# Altium PCB controller_V1.3.PcbDoc (part 5 of 6)
Units mil, origin at the board's own origin, x right, y up, seen from the top; angles counter-clockwise.
Board outline 9606 x 5905.51 mil, 2 copper layers (Top Layer, Bottom Layer); 441 components, 367 nets, 1496 pads, 5349 vias.
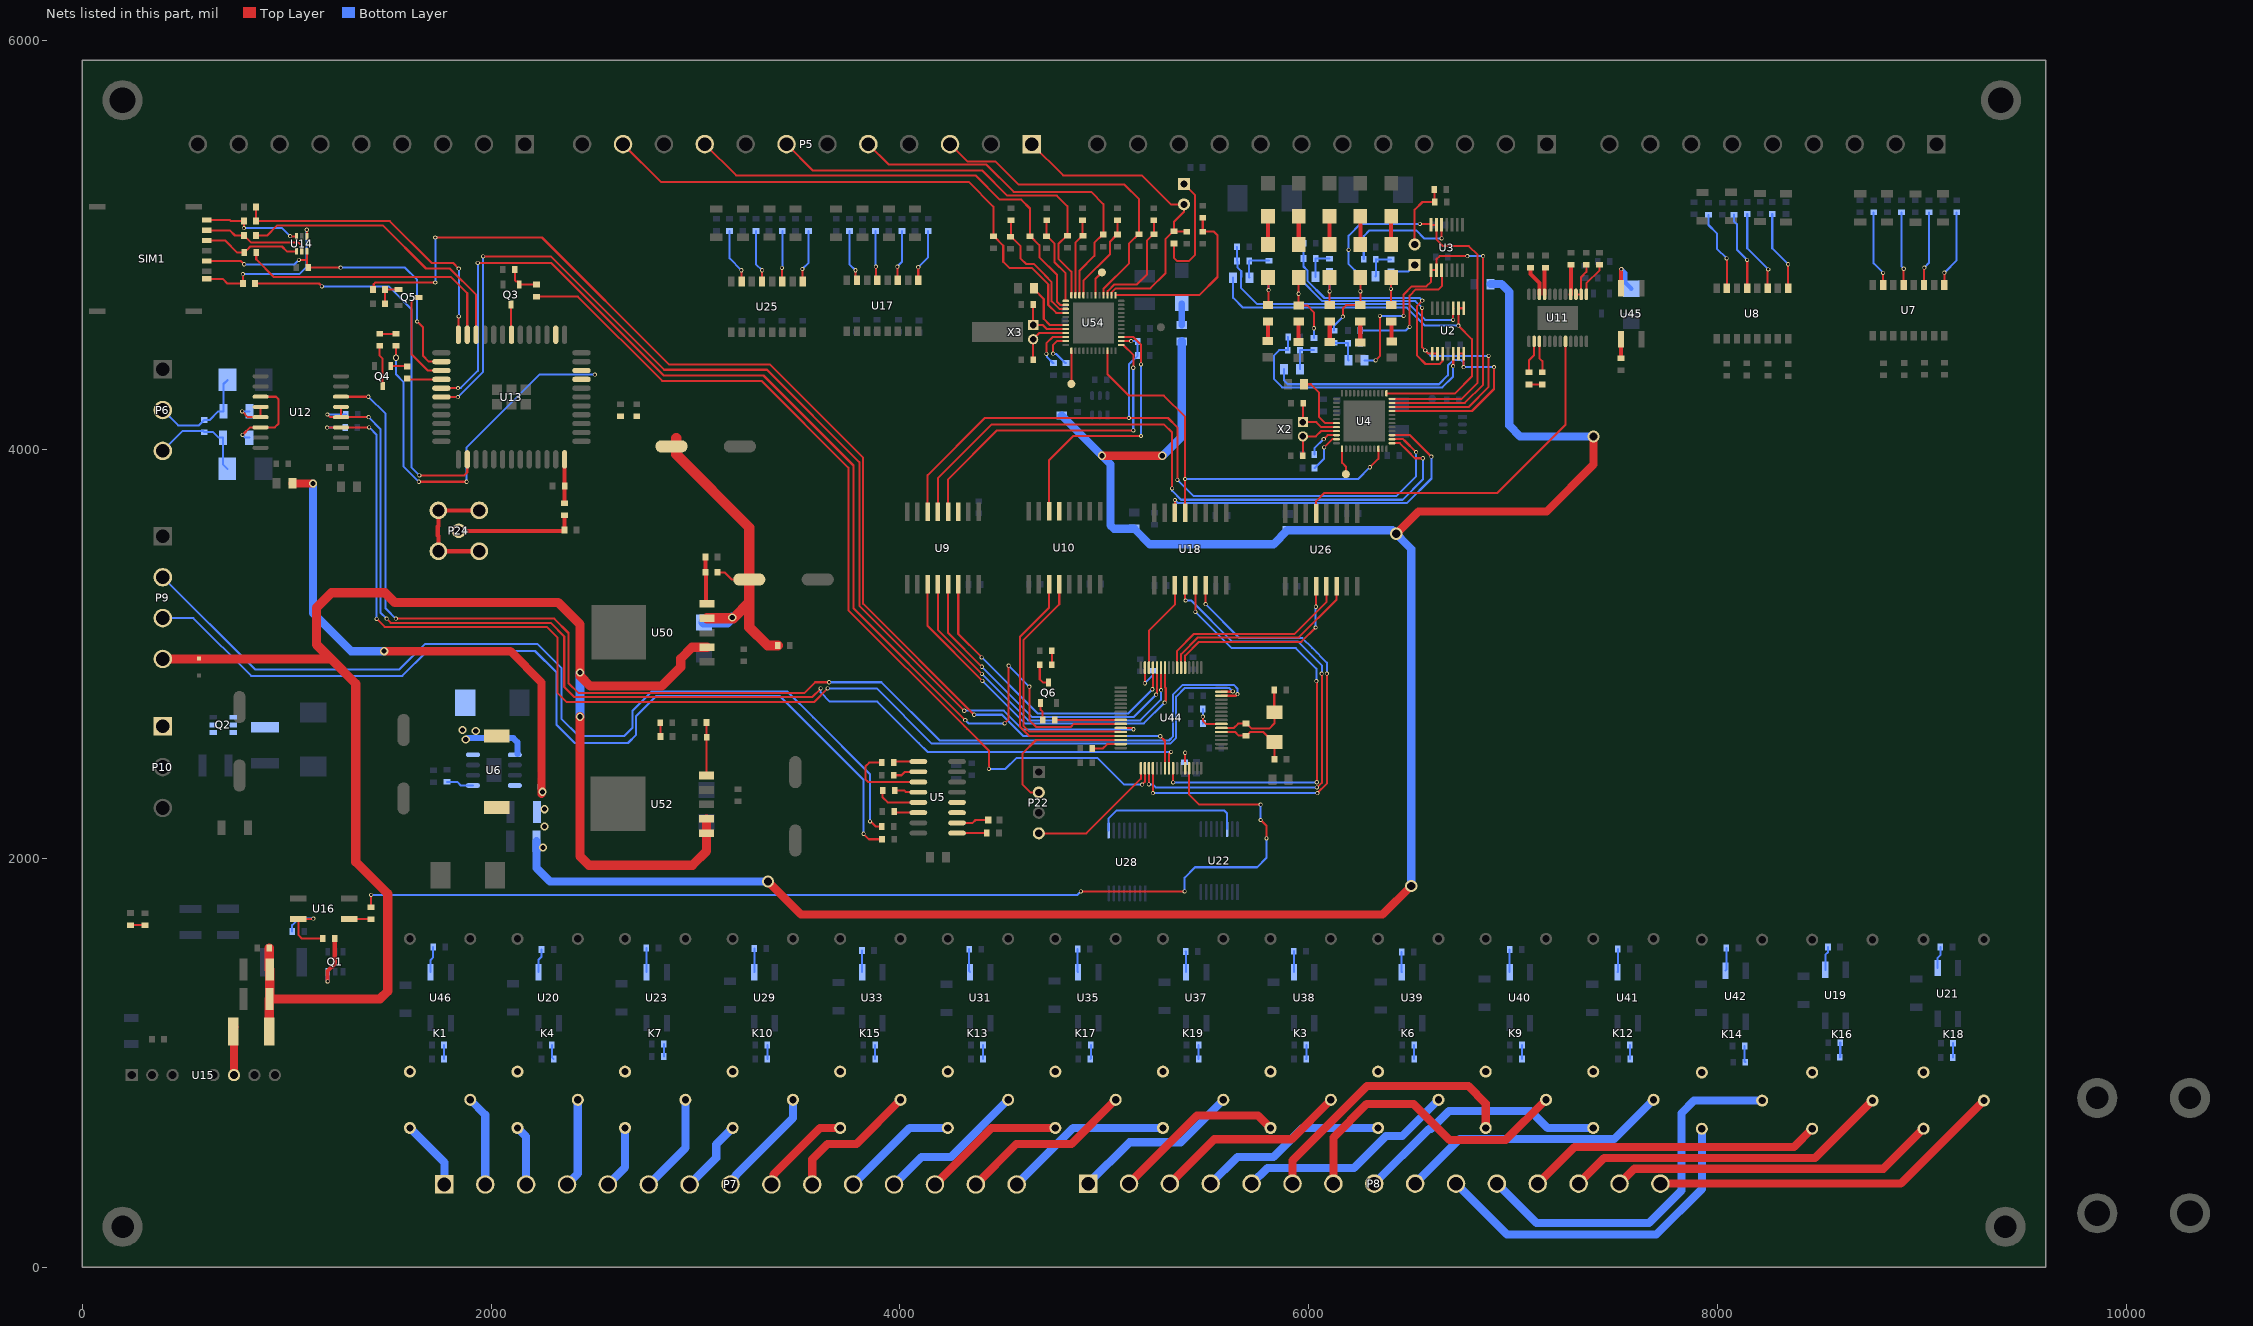
[diagram p5: the nets of this part, all layers, seen from the top]

## Via types
v1: diameter 20, hole 12, Top Layer to Bottom Layer, tented both sides, 5236 vias
v2: diameter 23.62, hole 11.81, Top Layer to Bottom Layer, 50 vias
v3: diameter 40, hole 25, Top Layer to Bottom Layer, tented both sides, 39 vias
v4: diameter 30, hole 20, Top Layer to Bottom Layer, tented both sides, 16 vias
v5: diameter 60, hole 40, Top Layer to Bottom Layer, tented both sides, 7 vias
v6: diameter 59.06, hole 39.37, Top Layer to Bottom Layer, 1 vias

## Nets (pads, with @x,y where several pads share a name; then routed paths per layer and width w, separated by ;. In a path a pad name is that pad's centre, name@x,y a point inside that pad or via, vN(x,y) a via of type N, cw(c..) or ccw(c..) an arc to the next point about the centre after c; other vN are vias at no path point) (continued)
LTE_MRX: U13.17 U44.42 | length 5724.1
  Top Layer w10: U13.17@1757.33,4299.74 v1(1838.26,4299.74) ; v1(1935,4913) 2293,4913 2844,4362 3333,4362 3773.41,3921.59 3773.41,3822 3773.41,3222.59 v1(4320,2676) ; v1(4512.16,2660.2) 4532,2680.05 v1(4532,2942) ; v1(4634,2840) 4634,2674.98 4666.98,2642 4836.01,2642 4851.12,2657.11 U44.42@5080.83,2657.11
  Bottom Layer w10: v1@1840.17,4301.65 1851.65,4301.65 1935,4385 v1(1935,4913) ; v1(4320,2676) 4335.8,2660.2 v1(4512.16,2660.2) ; v1(4532,2942) v1(4634,2840)
LTE_MTX: U13.18 U44.43 | length 5521.7
  Top Layer w10: U13.18@1757.33,4256.43 v1(1837.43,4256.43) ; v1(1961,4945) 2292,4945 2847,4390 3350,4390 3802,3938 3802,3850 3802,3234.72 v1(4315.16,2721.56) v1@4319.16,2717.56 ; U44.43@5080.83,2637.43 5136.8,2637.43 v1(5143.23,2631)
  Bottom Layer w10: v1(1837.43,4256.43) 1961,4380 v1(1961,4945) ; v1@4323.6,2722 4509,2722 4602,2629 5013,2629 ; 5098,2629 5013,2629 ; v1(5143.23,2631) 5141.23,2629 5013,2629
LTE_PWR_CTRL: R162.1 U44.50 | length 4559.8
  Top Layer w10: R162.1@2222,4748 2425,4748 2837,4336 3323,4336 3748,3911 3748,3214 4317,2645 ; 4329,2633 4317,2645 ; v1(4436,2437) 4436,2526 4317,2645 ; v1(5185,2360) 5198.94,2373.94 U44.50@5198.94,2440.57
  Bottom Layer w10: v1(4436,2437) 4517,2437 4570,2490 4968,2490 5098,2360 v1(5185,2360)
LTE_RST: R165.1 U44.55 | length 5694.5
  Top Layer w10: R165.1@1422.01,4783.09 1425.96,4787.04 1425.96,4808.96 1434,4817 v1(1727,4817) ; v1(1727,5037) 2249,5037 2871,4415 3365,4415 3820.67,3959.33 3820.67,3244.33 v1(4363,2702) ; v1(5274,2597) 5297.36,2573.64 U44.55@5297.36,2440.57
  Bottom Layer w10: v1(1727,4817) v1(1727,5037) ; v1(4363,2702) 4500,2702 4604,2598 5273,2598 v1(5274,2597)
MAIN0: C5.2 U2.8 U2.9 U4.37 | length 2096.7
  Top Layer w10: U4.37@6380.43,4274.83 6716.83,4274.83 6799,4357 6799,4539.91 v1(6733.18,4605.73) U2.9@6733.18,4691 U2.8@6758.77,4691
  Bottom Layer w10: C5.2@5631.05,4840.6 5631.05,4741.95 5678.73,4694.27 6480.73,4694.27 6569.27,4605.73 v1(6733.18,4605.73)
MAIN1: C13.2 U2.6 U2.7 U4.33 | length 1938
  Top Layer w10: U4.33@6407.99,4188.21 6799.21,4188.21 6907,4296 v1(6907,4402.78) ; U2.6@6733.18,4469 U2.7@6758.77,4469 v1(6758.77,4402.77) v1@6758,4402
  Bottom Layer w10: C13.2@5879.05,4392.6 5879.05,4338.37 5898.43,4319 6638,4319 6681.73,4362.73 6681.73,4411.01 6707.72,4437 6747,4437 6758.77,4425.23 v1(6758.77,4402.77) v1@6906.99,4402.77
MAIN2: C3.2 U2.1 U2.2 U4.34 | length 1936.1
  Top Layer w10: U4.34@6407.99,4207.9 6782.9,4207.9 6881,4306 v1(6881,4458.2) ; v1(6555,4693) 6555,4500 v1(6570.5,4484.5) 6586,4469 U2.1@6605.23,4469 U2.2@6630.82,4469
  Bottom Layer w10: C3.2@5954.26,4845 5954.26,4839.09 6067.35,4726 6522,4726 v1(6555,4693) ; v1(6570.5,4484.5) 6596.8,4458.2 v1(6881,4458.2)
MAIN3: C21.2 U3.8 U3.9 U4.35 | length 2143.5
  Top Layer w10: v1(6328,4436) 6349,4457 v1(6349,4654) ; U4.35@6407.99,4227.58 6764.58,4227.58 6854,4317 v1(6854,4946) ; v1(6465,4654) 6465,4758 6505,4798 6576,4798 6599.23,4821.23 U3.8@6599.23,4877 U3.9@6624.82,4877 6624.82,4929.82 6641,4946 v1(6776.5,4946)
  Bottom Layer w10: C21.2@6273.74,4436 v1(6328,4436) ; v1(6349,4654) v1(6465,4654) ; v1(6776.5,4946) v1(6854,4946)
MAIN4: C4.2 U3.6 U3.7 U4.36 | length 2059.5
  Top Layer w10: U4.36@6407.99,4247.27 6748.27,4247.27 6827,4326 6827,4952 6784,4995 6657.46,4995 6624.82,5027.64 U3.6@6624.82,5099 U3.7@6599.23,5099 6599.23,5102 6597.23,5104 v1(6544,5104)
  Bottom Layer w10: C4.2@6249.05,4847.6 6249.05,4853.5 6196.08,4906.48 6196.08,5046.08 6254,5104 v1(6544,5104)
  other v1: 6196.08,4976.28
MB_RX1: R227.1 U12.3 U44.15 | length 6186
  Top Layer w10: v1(1197.49,4107) 1265,4107 U12.3@1266,4108 v1(1403,4108) ; v1(1440,3171) 1479,3132 2272,3132 2326,3078 2326,2808 2370,2764 3580,2764 v1(3647,2831) ; U44.15@5572.95,2814.59 5618.41,2814.59
  Bottom Layer w10: v1(1197.49,4107) R227.1@1286.94,4107 ; v1(1403,4108) 1440,4071 v1(1440,3171) ; v1(3647,2831) 3886,2831 4156,2561 5323,2561 5351.89,2589.89 5351.89,2790.89 5394,2833 5612,2833 v1(5629,2816)
MB_RX1_N: D79.2 F7.2 P6.2 R110.1 | length 518.5
  Bottom Layer w10: P6.2@393.86,4193 468.86,4118 570.85,4118 R110.1@596.85,4144 623,4144 665,4186 F7.2@690.9,4186 690.9,4320.21 D79.2@710.69,4340
MB_RX1_P: D78.2 F8.2 P6.3 R110.2 | length 511
  Bottom Layer w10: P6.3@393.86,3993 491.86,4091 590.8,4091 R110.2@596.85,4084.95 640.05,4084.95 667,4058 F8.2@688.85,4058 688.85,3926 D78.2@709.85,3905
MB_RXEN1: R76.1 U12.4 U12.5 U44.56 | length 5751.4
  Top Layer w10: v1(1199.49,4171) 1212.49,4158 U12.4@1266,4158 ; U12.5@1266,4208 U12.4@1266,4158 ; v1(1401,4158) U12.4@1266,4158 ; v1(1489,3172) 1509,3152 2291,3152 2358,3085 2358,2838 2408,2788 3570,2788 v1@3612,2830 ; U44.56@5317.05,2440.57 5317.05,2510.05 v1(5327,2520)
  Bottom Layer w10: v1(1199.49,4171) R76.1@1288.94,4171 ; v1(1401,4158) 1458.74,4100.26 1458.74,3202.26 v1(1489,3172) ; v1(3612,2831) 3612,2812 3658,2766 3890,2766 4093,2563 4136,2520 v1(5327,2520)
MB_TX1: U12.6 U44.14 | length 6177.1
  Top Layer w10: U12.6@1266,4258 v1(1400,4258) ; v1(1534,3172) 2309,3172 2379,3102 2379,2857 2428,2808 3533,2808 3586,2861 v1(3654,2861) ; U44.14@5572.95,2794.91 5643.91,2794.91 v1(5652,2803)
  Bottom Layer w10: v1(1400,4258) 1484,4174 1484,3223 1490.82,3216.18 1490.82,3215.18 v1(1534,3172) ; v1(3654,2861) 3910,2861 4195,2576 5316.79,2576 5336.89,2596.11 5336.89,2801.6 5383.29,2848 5633,2848 5652,2829 v1(5652,2803)
MC\S\1: U4.27 U18.14 | length 1715.8
  Top Layer w10: U18.14@5345.85,3690.9 v1(5345.85,3752.85) ; U4.27@6407.99,4070.1 6496,4070.1 v1(6601.05,3965.05)
  Bottom Layer w10: v1(5345.85,3752.85) 5359.7,3739 6482,3739 6601.05,3858.05 v1(6601.05,3965.05)
MC\S\_PT1: U10.14 U54.27 | length 1309.2
  Top Layer w10: U10.14@4729.85,3696.9 4729.85,3947.85 4848,4066 v1(5180,4066) ; U54.27@5082.99,4550.1 5117.12,4550.1 5117.43,4550.42 5141.69,4550.42 5180,4512.11 v1(5180,4416)
  Bottom Layer w10: v1(5180,4066) v1(5180,4416)
MC\S\_PT2: U10.13
MD\R\D\Y\: U4.25 U9.5 | length 3307.6
  Top Layer w10: U9.5@4185.85,3695.9 4185.85,3858.85 4450,4123 5292,4123 5332,4083 v1(5332,3810) ; U4.25@6407.99,4030.73 6446.27,4030.73 6484,3993 ; 6495,3982 6484,3993 ; v1(6559,3957) 6520,3957 6484,3993
  Bottom Layer w10: v1(5332,3810) 5332,3797.72 5375.72,3754 6460,3754 6559,3853 v1(6559,3957)
MD\R\D\Y\_MCU: U9.12 U44.27 | length 1696.7
  Top Layer w10: U9.12@4185.85,3339.9 4185.85,3117.15 v1(4401,2902) ; U44.27@5277.68,2932.7 5277.68,2823.31 v1(5277.99,2823)
  Bottom Layer w10: v1(4401,2902) 4628,2675 5177,2675 5277,2775 5277,2822.01 v1(5277.99,2823)
MD\R\D\Y\_PT1: U9.4 U54.25 | length 1614.2
  Top Layer w10: U9.4@4235.85,3695.9 4235.85,3853.85 4475.5,4093.5 v1(5142.5,4093.5) ; U54.25@5082.99,4510.73 5094.21,4510.73 5143.43,4461.52 5143.43,4401.43 v1(5142,4400)
  Bottom Layer w10: v1(5142,4400) 5142,4094 v1(5142.5,4093.5) v1@5143,4093
MD\R\D\Y\_PT1_MCU: U9.13 U44.28 | length 1605.9
  Top Layer w10: U9.13@4235.85,3339.9 4235.85,3102.15 v1(4401,2937) ; v1(5254,2801) 5254,2803.71 5257.99,2807.7 U44.28@5257.99,2932.7
  Bottom Layer w10: v1(4401,2937) 4648,2690 5143,2690 v1(5254,2801)
MD\R\D\Y\_PT2: U9.3
MD\R\D\Y\_PT2_MCU: U9.14 U44.29 | length 1510
  Top Layer w10: U9.14@4285.85,3339.9 4285.85,3097.15 v1(4400,2983) ; v1(5236,2827) 5236,2829.71 5238.31,2832.01 U44.29@5238.31,2932.7
  Bottom Layer w10: v1(4400,2983) 4675,2708 5117,2708 v1(5236,2827)
MIBSPI1CLK: U18.4 U44.51 | length 2387.4
  Top Layer w10: v1@5218,2361 v1(5218.62,2361.62) U44.51@5218.62,2440.57 ; v1@5395.85,3263.15 U18.4@5395.85,3334.9 ; v1(6040.55,2347) 6043.19,2347 6065,2368.81 6065,2902 v1(6064,2903)
  Bottom Layer w10: v1(5218.62,2361.62) 5236.53,2361.62 5251.15,2347 v1(6040.55,2347) ; v1(5398,3261) 5425,3261 5626,3060 5949,3060 6065,2944 6065,2904 v1(6064,2903)
MIBSPI1MCS1: U18.3 U44.30 | length 454.9
  Top Layer w10: U44.30@5218.62,2932.7 5218.62,3113.62 5345.85,3240.85 U18.3@5345.85,3334.9
MIBSPI1MCS2: U10.3 U44.45 | length 1268.1
  Top Layer w10: U10.3@4729.85,3340.9 4729.85,3225.85 4588,3084 4588,2643 4632.94,2598.06 U44.45@5080.83,2598.06
MIBSPI1MCS3: U10.4 U44.44 | length 1255
  Top Layer w10: U10.4@4779.85,3340.9 4779.85,3241.85 4604,3066 4604,2648.21 4633.21,2619 4749,2619 5079.57,2619 U44.44@5080.83,2617.74
MIBSPI1SIMO: U18.5 U44.57 | length 2166.3
  Top Layer w10: U44.57@5336.73,2440.57 5336.73,2371.27 v1(5337,2371) ; v1@5445.85,3205.15 U18.5@5445.85,3334.9 ; v1(6038,2867) 6039.9,2865.1 v1(6039.9,2371.99)
  Bottom Layer w10: v1(5337,2371) 6038.9,2371 v1(6039.9,2371.99) ; v1(5446,3205) 5623,3028 5938,3028 6038,2928 v1(6038,2867)
MIBSPI1SOMI: U18.6 U44.52 | length 2418.3
  Top Layer w10: v1(5238,2319) 5238.62,2319.62 5238.62,2383.59 5238.31,2383.9 U44.52@5238.31,2440.57 ; v1(5495.85,3243.15) U18.6@5495.85,3334.9 ; v1(6043,2319) 6089,2365 v1(6089,2903)
  Bottom Layer w10: v1(5238,2319) v1(6043,2319) ; v1@5496,3243 5662,3077 5969,3077 6017,3029 ; 6039,3007 6017,3029 ; v1(6089,2903) 6089,2957 6017,3029
MISO_AO_MCU: U26.6 U44.22 | length 1002.2
  Top Layer w10: U44.22@5376.1,2932.7 5376.1,2998.4 5458.7,3081 5951.85,3081 6136.85,3266 U26.6@6136.85,3330.87
MOSI_AO_MCU: U26.5 U44.23 | length 989.2
  Top Layer w10: U44.23@5356.42,2932.7 5356.42,3015 5439.42,3098 5931.85,3098 6086.85,3253 U26.5@6086.85,3330.87
MSR0: D12.2 R7.2 R80.2 | length 223.5
  Top Layer w10: R80.2@5801.29,4705.74 5804,4708.45 5804,4838.58 D12.2@5801.29,4841.29
  Bottom Layer w10: v1(5804,4780) 5804,4861.75 R7.2@5806.79,4864.54
MSR1: D3.2 R5.2 R29.2 | length 351.8
  Top Layer w10: D3.2@5951.92,4841.29 5950.92,4840.29 v1(5950.92,4761.9) R5.2@5950.92,4704.74 5992.46,4704.74 6026,4671.2 v1(6026,4593)
  Bottom Layer w10: v1(6026,4593) 6026,4546.45 R29.2@6026.79,4545.65
MSR2: D6.2 R1.2 R11.2 | length 236.3
  Top Layer w10: R11.2@6102.54,4705.74 D6.2@6102.54,4841.29
  Bottom Layer w10: v1(6102.54,4773.52) R1.2@6102.54,4874.26
MSR3: D9.2 R13.2 R44.2 | length 354.5
  Top Layer w10: v1(6168,4650) 6168,4690.19 6183.55,4705.74 R13.2@6253.17,4705.74 v1(6253.17,4773.52) D9.2@6253.17,4841.29
  Bottom Layer w10: R44.2@6124,4581.06 6124,4606 v1(6168,4650)
MSR4: D11.2 P2.1 R3.2 R17.2 | length 351.2
  Top Layer w10: R17.2@6403.79,4705.74 D11.2@6403.79,4841.29
  Bottom Layer w10: v1@6403.79,4784.92 v1(6402.79,4785.92) R3.2@6402.79,4870.54 6486.54,4870.54 P2.1@6519,4903
MSTART: R19.2 R189.2 U4.26 U9.6 U54.26 | length 3787.3
  Top Layer w10: U9.6@4135.85,3695.9 4135.85,3873.85 4416,4154 v1(5121,4154) 5312,4154 5358,4108 v1(5358,3851) ; U54.26@5082.99,4530.42 v1(5131.58,4530.42) v1@5132,4530 ; U4.26@6407.99,4050.42 6462.58,4050.42 6469,4044 ; 6482,4031 6469,4044 ; v1(6526,3987) 6469,4044
  Bottom Layer w10: v1(5121,4154) 5121,4416.89 R189.2@5163.11,4459 R19.2@5163.11,4529 5161.69,4530.42 v1(5131.58,4530.42) ; v1(5358,3851) 5436,3773 6431,3773 6526,3868 v1(6526,3987)
MSTART_MCU: U9.11 U44.26 | length 1777.7
  Top Layer w10: U9.11@4135.85,3339.9 4135.85,3136.15 v1(4404,2868) ; v1(5295.8,2761.8) 5295.8,2764.5 5301,2769.71 5301,2832 5297.36,2835.64 U44.26@5297.36,2932.7
  Bottom Layer w10: v1(4404,2868) 4612,2660 4641,2660 5194,2660 v1(5295.8,2761.8)
NetC3_1: C3.1 R1.1 R2.2 | length 158.4
  Bottom Layer w10: C3.1@6033,4845 6034.01,4846.01 R2.2@6034.01,4934.1 6034.81,4933.31 R1.1@6102.54,4933.31
NetC4_1: C4.1 R3.1 R4.2 | length 158.4
  Bottom Layer w10: C4.1@6327.79,4847.6 6328.83,4848.64 R4.2@6328.83,4931 6330.23,4929.6 R3.1@6402.79,4929.6
NetC5_1: C5.1 R7.1 R8.2 | length 180.8
  Bottom Layer w10: C5.1@5709.79,4840.6 5708.79,4841.6 R8.2@5708.79,4922.6 5709.79,4923.6 R7.1@5806.79,4923.6
NetC6_2: C6.2 R2.1 U2.3 | length 1261.5
  Top Layer w10: v1(6556,4728) 6531,4703 6531,4459 6572,4418 6641,4418 6654.41,4431.41 6654.41,4467 U2.3@6656.41,4469
  Bottom Layer w10: C6.2@5975.9,5012.06 C6.2@5975.9,5009.1 5975.43,5008.63 5975.43,4934.58 R2.1@5974.96,4934.1 5974.96,4895.17 5993.63,4876.5 5993.63,4824.95 6077.58,4741 6543,4741 v1(6556,4728)
NetC7_2: C7.2 R4.1 U3.5 | length 589.5
  Top Layer w10: U3.5@6650.41,5099 v1(6650.41,5032.59) v1@6651,5032
  Bottom Layer w10: R4.1@6269.78,4931 C7.2@6269.78,4991 6269.78,5043.78 6298,5072 6526.56,5072 6566.56,5032 v1@6651,5032
NetC8_2: C8.2 R8.1 U2.10 | length 1369.8
  Top Layer w10: v1(6707,4634) 6707.3,4634.3 6707.3,4690.7 U2.10@6707.59,4691
  Bottom Layer w10: R8.1@5649.74,4922.6 5651.65,4920.69 5651.65,4890.87 5670.42,4872.1 5670.42,4843.42 5670,4843 5670,4789 5748,4711 6493,4711 6570,4634 v1(6707,4634) ; R8.1@5649.74,4922.6 C8.2@5649.79,4991.6
NetC10_1: C10.1 U5.1 | length 123.1
  Top Layer w10: C10.1@3969.85,2468 3974.85,2473 U5.1@4090.85,2473
NetC10_2: C10.2 U5.3 | length 415.3
  Top Layer w10: C10.2@3910.8,2468 3850,2468 3831,2449 3831,2387 3845,2373 U5.3@4090.85,2373
NetC11_1: C11.1 U5.2 | length 127
  Top Layer w10: C11.1@3970.85,2406 4008,2406 4025,2423 U5.2@4090.85,2423
NetC12_1: C12.1 U5.4 | length 119.7
  Top Layer w10: C12.1@3974.91,2332 4021,2332 4030,2323 U5.4@4090.85,2323
NetC12_2: C12.2 U5.5 | length 219.9
  Top Layer w10: C12.2@3915.85,2332 3915.85,2297.15 3940,2273 U5.5@4090.85,2273
NetC13_1: C13.1 R29.1 R30.2 | length 162.4
  Bottom Layer w10: C13.1@5957.79,4392.6 5957.85,4392.65 R30.2@5957.85,4485.6 5958.85,4486.6 R29.1@6026.79,4486.6
NetC14_1: C14.1 U5.6 | length 120.5
  Top Layer w10: C14.1@3972.85,2229 3978.85,2223 U5.6@4090.85,2223
NetC17_2: C17.2 R30.1 U2.5 | length 1287
  Top Layer w10: v1(6707,4408) 6707.59,4408.59 U2.5@6707.59,4469
  Bottom Layer w10: C17.2@5899.74,4550.6 5899.26,4550.13 5899.26,4486.07 R30.1@5898.79,4485.6 5855.86,4485.6 5830.98,4460.71 5830.98,4344.02 5871,4304 6654,4304 6707,4357 v1(6707,4408)
NetC21_1: C21.1 R44.1 R45.2 | length 154.7
  Bottom Layer w10: R44.1@6124,4522 6191,4522 R45.2@6193,4520 6193,4438 C21.1@6195,4436
NetC25_2: C25.2 R45.1 U3.10 | length 720.3
  Top Layer w10: v1(6494,4600) 6494,4752 6525,4783 6636,4783 6652,4799 6652,4875.41 U3.10@6650.41,4877
  Bottom Layer w10: R45.1@6252.06,4520 6251.92,4520.13 6251.92,4582.47 C25.2@6251.79,4582.6 6476.6,4582.6 v1(6494,4600)
NetC35_1: C35.1 U11.21 | length 132.5
  Top Layer w20: U11.21@7154.56,4759.16 7154.56,4886.17 7158.34,4889.95 C35.1@7158.54,4889.95
NetC38_1: C38.1 U11.16 | length 145.3
  Top Layer w20: U11.16@7282.51,4759.16 7283.02,4759.67 7283.02,4903.49 C38.1@7283.54,4904
NetC39_1: C39.1 U11.14 U11.15 | length 180.7
  Top Layer w10: U11.15@7308.1,4759.16 U11.14@7333.69,4759.16 7333.69,4843.69 7358.54,4868.54 C39.1@7358.54,4904
NetC41_2: C41.2 R64.1 U44.6 Y1.2 | length 453.6
  Top Layer w10: U44.6@5572.95,2637.43 5633.43,2637.43 5655,2659 R64.1@5692.95,2659 5695.91,2659 5720.91,2634 5807,2634 5832.95,2659.95 Y1.2@5832.95,2714.67 5831.8,2715.83 C41.2@5831.8,2823
NetC43_1: C43.1 U4.7 | length 308.1
  Top Layer w10: C43.1@5977.17,4319 6011,4319 6050.35,4279.65 6050.35,4159.65 6080.84,4129.16 U4.7@6136.34,4129.16
NetC48_1: C48.1 U4.9 X2.1 | length 269.9
  Top Layer w10: C48.1@5972.17,3969 X2.1@5972.17,4064 6035,4064 6060.79,4089.79 U4.9@6136.34,4089.79
NetC59_1: C59.1 U4.8 X2.2 | length 267.2
  Top Layer w10: C59.1@5973.17,4226.42 5973.17,4135 X2.2@5972.17,4134 6038,4134 6062.53,4109.47 U4.8@6136.34,4109.47
NetC87_2: C87.2 R123.1 | length 71.8
  Bottom Layer w10: R123.1@8599.06,1026.15 8601.06,1028.15 C87.2@8601.06,1097.15
NetC88_2: C88.2 R125.1 | length 71.9
  Bottom Layer w10: C88.2@2297.26,1085.65 2297.26,1025.9 R125.1@2305.85,1017.31
NetC89_2: C89.2 R126.1 | length 70.4
  Bottom Layer w10: R126.1@9152.06,1025.15 9153.06,1026.15 C89.2@9153.06,1095.15
NetC90_2: C90.2 R122.1 | length 68.3
  Bottom Layer w10: R122.1@1769.85,1017.31 C90.2@1769.85,1085.65
NetC91_2: C91.2 R129.1 | length 61
  Bottom Layer w10: R129.1@2845,1030 2845.06,1030.06 C91.2@2845.06,1091
NetC93_2: C93.2 R133.1 | length 68.3
  Bottom Layer w10: R133.1@3352.09,1017.31 C93.2@3352.09,1085.65
NetC95_2: C95.2 R137.1 | length 68.3
  Bottom Layer w10: R137.1@4406.91,1017.31 C95.2@4406.91,1085.65
NetC96_1: C96.1 U11.22 | length 148.9
  Top Layer w20: C96.1@7085.2,4889.95 7085.2,4857.8 7128.97,4814.03 U11.22@7128.97,4759.16
NetC98_2: C98.2 R141.1 | length 68.3
  Bottom Layer w10: R141.1@3879.5,1017.31 C98.2@3879.5,1085.65
NetC102_2: C102.2 R145.1 | length 69.4
  Bottom Layer w10: R145.1@4931.85,1017.31 4934.32,1019.78 C102.2@4934.32,1085.65
NetC104_2: C104.2 R149.1 | length 68.3
  Bottom Layer w10: R149.1@5461.73,1017.31 C104.2@5461.73,1085.65
NetC106_2: C106.2 R151.1 | length 68.9
  Bottom Layer w10: R151.1@5987.85,1017.31 5989.14,1018.6 C106.2@5989.14,1085.65
NetC107_2: C107.2 R153.1 | length 68.3
  Bottom Layer w10: R153.1@6516.55,1017.31 C107.2@6516.55,1085.65
NetC109_2: C109.2 R155.1 | length 68.3
  Bottom Layer w10: R155.1@7043.97,1017.31 C109.2@7043.97,1085.65
NetC110_2: C110.2 R157.1 | length 69
  Bottom Layer w10: C110.2@7571.38,1085.65 7571.38,1018.84 R157.1@7572.91,1017.31
NetC111_2: C111.2 R159.1 | length 81.7
  Bottom Layer w10: C111.2@8133,1082.15 8133,1006.2 R159.1@8137.06,1002.15
NetC116_1: C116.1 R40.1 U13.35 | length 215.4
  Top Layer w20: R40.1@2358.85,3736.43 2359.85,3737.43 C116.1@2359.85,3821.43 2359.69,3821.59 U13.35@2359.69,3951.32
NetC117_1: C117.1 P24.1 R40.2 | length 590.1
  Top Layer w20: P24.1@1842,3602 2355.17,3602 2358.85,3605.68 R40.2@2358.85,3677.38
NetC118_2: C118.2 R64.2 U44.5 Y1.1 | length 379.8
  Top Layer w10: U44.5@5572.95,2617.74 5641.26,2617.74 5659.06,2599.94 R64.2@5692.95,2599.94 5695.91,2599.94 5713.49,2617.53 5778.52,2617.53 5827.05,2569 Y1.1@5832.95,2569 C118.2@5832.94,2484
NetC119_2: C119.2 U44.31 | length 154.4
  Top Layer w10: v1(5198.94,2856.06) U44.31@5198.94,2932.7
  Bottom Layer w10: v1(5198.94,2856.06) 5238.31,2895.43 C119.2@5238.31,2917.49
NetC120_2: C120.2 R168.1 U44.7 | length 188.4
  Top Layer w10: v1(5482.91,2693) 5482.91,2671.73 5497.53,2657.11 U44.7@5572.95,2657.11
  Bottom Layer w10: C120.2@5482.91,2730 v1(5482.91,2693) R168.1@5482.95,2659 R168.1@5482.95,2659
NetC122_2: C122.2 U44.47 | length 147.8
  Top Layer w10: C122.2@4942.06,2537 4993,2537 5014.69,2558.69 U44.47@5080.83,2558.69
NetC137_1: C137.1 D35.2 L3.1 U6.8 | length 125.8
  Bottom Layer w30: v3(1876,2581) 1878.71,2581 1885.71,2588 C137.1@1998.94,2588
  other v3: 1925,2622 1860,2628
NetC137_2: C137.2 U6.1 | length 138.1
  Bottom Layer w30: C137.2@2058,2588 2109,2588 2129,2568 U6.1@2129,2509.19
NetC151_1: C151.1 U54.7 | length 289.1
  Top Layer w10: C151.1@4657.17,4789 4657.17,4783.1 4704,4736.26 4704,4639 4733.84,4609.16 U54.7@4811.34,4609.16
NetC153_1: C153.1 U54.9 X3.1 | length 271.9
  Top Layer w10: C153.1@4652.17,4439 X3.1@4652.17,4539 4682.95,4569.79 U54.9@4811.34,4569.79
NetC159_1: C159.1 U54.8 X3.2 | length 267.3
  Top Layer w10: C159.1@4652.17,4709 X3.2@4652.17,4609 4700.03,4609 4719.56,4589.47 U54.8@4811.34,4589.47
NetD1_2: D1.2 D12.1 | length 138.6
  Top Layer w20: D12.1@5801.29,5002.71 D1.2@5801.29,5141.29
NetD2_2: D2.2 D3.1 | length 138.6
  Top Layer w20: D3.1@5951.92,5002.71 D2.2@5951.92,5141.29
NetD5_2: D5.2 D6.1 | length 138.6
  Top Layer w20: D6.1@6102.54,5002.71 D5.2@6102.54,5141.29
NetD7_2: D7.2 D9.1 | length 138.6
  Top Layer w20: D9.1@6253.17,5002.71 D7.2@6253.17,5141.29
NetD10_2: D10.2 D11.1 | length 138.6
  Top Layer w20: D11.1@6403.79,5002.71 D10.2@6403.79,5141.29
NetD72_1: D72.1 F2.2 | length 106.3
  Bottom Layer w30: F2.2@5379,4608 D72.1@5379,4714.29
NetF1_1: F1.1 Q2.4
NetF3_1: F3.1 U15.6 | length 236.8
  Top Layer w40: U15.6@742,939 742,1173 F3.1@744,1175
NetF7_1: F7.1 U12.12 U12.13 | length 188.7
  Top Layer w10: v1(782,4186) 810,4158 U12.13@872.3,4158 U12.12@872.3,4208
  Bottom Layer w10: v1(782,4186) F7.1@818.85,4186
NetF8_1: F8.1 U12.11 U12.14 | length 449.6
  Top Layer w10: v1(784,4071) 821,4108 U12.14@872.3,4108 942,4108 960,4126 960,4246 948,4258 U12.11@872.3,4258
  Bottom Layer w10: v1(784,4071) 797,4058 F8.1@816.8,4058
NetLD1_2: LD1.2 R170.1 | length 68.5
  Top Layer w10: R170.1@4743.57,2946.74 4744.06,2947.23 LD1.2@4744.06,3015
NetLD3_2: LD3.2 R37.1 | length 80.4
  Top Layer w10: R37.1@1455.09,4566.99 1456.03,4566.05 LD3.2@1535.09,4566.05
NetLED2_1: LED2.1 R184.1 | length 68.4
  Top Layer w10: R184.1@2827.85,2663 2827.85,2596 LED2.1@2828.85,2595
NetLED3_1: LED3.1 R105.2 | length 65
  Top Layer w10: R105.2@7078.46,4318 LED3.1@7143.46,4318
NetLED3_2: LED3.2 U11.3 | length 157.8
  Top Layer w10: U11.3@7128.97,4528.84 7128.97,4447.03 7143.46,4432.54 LED3.2@7143.46,4377.05
NetLED17_1: LED17.1 R102.1 | length 71.6
  Top Layer w10: R102.1@235.85,1673 306,1673 LED17.1@307,1672
NetP2_2: P2.2 R23.2 R24.1 | length 345.5
  Top Layer w10: P2.2@6519,5003 6519,5173 6557,5211 R24.1@6616.94,5211 6615.97,5211.97 6615.97,5271.03 R23.2@6615,5272
NetP4_1: P4.1 R39.2 | length 564.2
  Top Layer w10: R39.2@5340.95,5007.89 5340.95,4937.05 5357,4921 5414,4921 5445,4952 5445,5244 P4.1@5390,5299